# Altium PCB CTR_PAD.PcbDoc (continued)
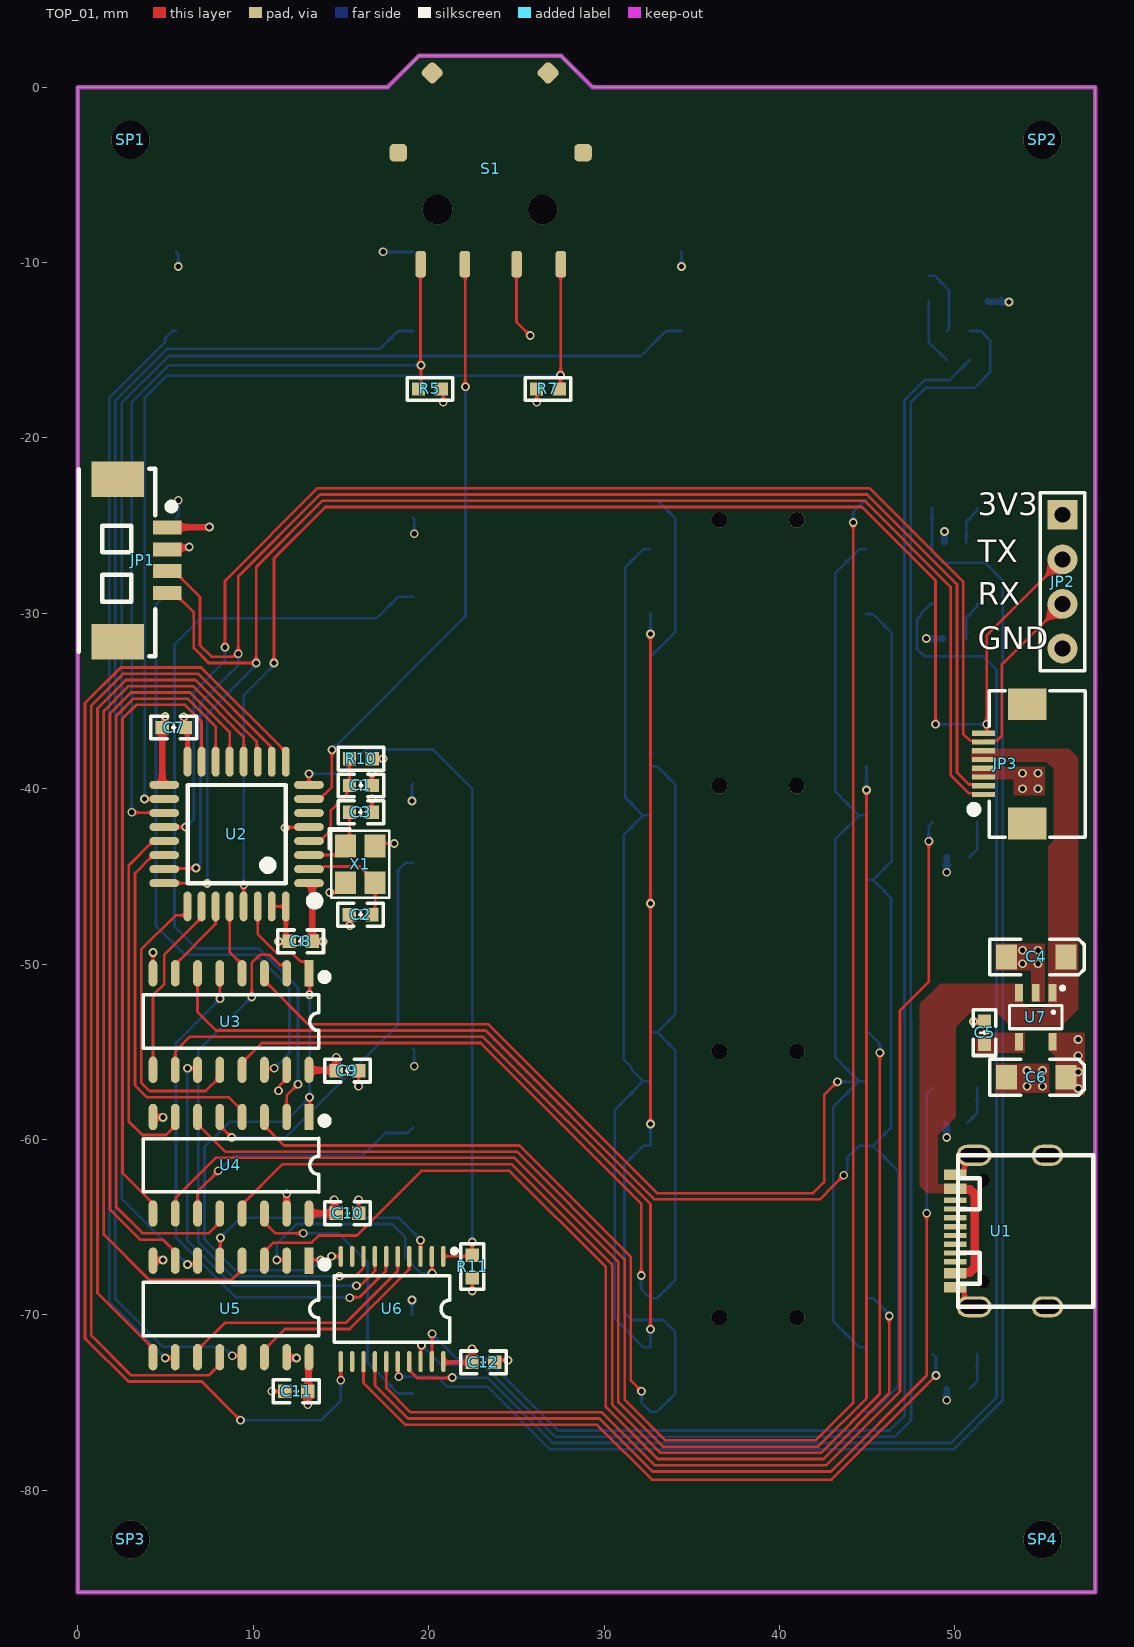
[diagram p0: TOP_01 view]
## Footprints (in the part's own frame and the unit in brackets; to place one, negate y for a bottom-side part, rotate by r counter-clockwise, add the part's x,y. Pads: shape width x height; smd on the part's side, far side on the other; paste and mask are expansions set on the pad) (continued)
  oval 1.2x1.8 hole 0.8 slot 1.4 at 90 deg: 15(-4.32,-2.624) 16(4.32,-2.624)
  round 0.75 hole 0.75 unplated: ""(-2.89,1.026) ""(2.89,1.026)
  silkscreen extent -4.32,-5.23 4.32,2.47, body extent -4.47,-5.27 4.47,2.63, height 3.26
WHEEL-SWITCH [mm]
  rrect50% 0.6x1.5 smd paste+0 mask+0.102: A(-3.968,-0.366) B(4.032,-0.366) C(1.507,-0.366) S(-1.443,-0.366)
  rrect50% 1x1 smd paste+0 mask+0.102: ""(-5.236,5.994) ""(5.3,5.994)
  rrect50% 1x1 smd rot 45 paste+0 mask+0.102: ""(-3.302,10.541)
  round 1.7 hole 1.7 unplated: ""(-3,2.75) ""(3,2.75)
  rrect50% 1x1 smd rot 135 paste+0 mask+0.102: ""(3.302,10.541)
  body extent -7.19,-0.25 7.19,14.5, height 4.3

## Part data
C1 C2 C3 C5 C7 C8 C9 C10 C11 C12: library part C, "无极性贴片电容", BOM名称=无极性贴片电容, 学习资源=www.ooocke.com, 版权归属=源创客
C4 C6: library part C-CD, "贴片钽电容", BOM名称=贴片钽电容, 学习资源=www.ooocke.com, 版权归属=源创客
JP1 JP2: library part "Header 4", "4P接插件", BOM名称=4P接插件, 学习资源=www.ooocke.com, 版权归属=源创客
JP3: library part FPC-8P, "FPC连接器", BOM名称=FPC连接器, 学习资源=www.ooocke.com, 版权归属=源创客
K1 K2 K3 K4 K5 K6 K7 K8: library part KEY-SMD-6x6, "贴片6x6轻触开关", BOM名称=贴片6x6轻触开关, 学习资源=www.ooocke.com, 版权归属=源创客
KEY1 KEY2 KEY3 KEY4: "五向按键"
LED1: library part LED-RGB-3528, "三基色LED", BOM名称=三基色LED, 学习资源=www.ooocke.com, 版权归属=源创客
LED2 LED3 LED4 LED5 LED6: library part LED-SMD, "贴片LED", BOM名称=贴片LED, 学习资源=www.ooocke.com, 版权归属=源创客
R1 R2 R3 R4 R5 R6 R7 R8 R9 R10 R11: library part R, "贴片电阻", BOM名称=贴片电阻, 学习资源=www.ooocke.com, 版权归属=源创客
S1: "拨盘编码器"
U1: library part USB-C-16P, "USB-C型母接口", BOM名称=USB-C型母接口, 学习资源=www.ooocke.com, 版权归属=源创客
U2: "微型控制器"
U3 U4 U5: "四路2选1模拟开关"
U6: "8位三态锁存器"
U7: "线性稳压器"
X1: library part XTAL-4P, "4脚无源晶振", BOM名称=4脚无源晶振, 学习资源=www.ooocke.com, 版权归属=源创客
SP1 SP2 SP3 SP4: BOM名称=铜柱, 学习资源=www.ooocke.com, 版权归属=源创客

## Via types
v1: diameter 0.5, hole 0.3, TOP_01 to BOT_04, tented both sides, 123 vias

## Nets (pads, with @x,y where several pads share a name; then routed paths per layer and width w, separated by ;. In a path a pad name is that pad's centre, name@x,y a point inside that pad or via, vN(x,y) a via of type N, cw(c..) or ccw(c..) an arc to the next point about the centre after c; other vN are vias at no path point)
3V3: C6.1 C7.2 C8.2 C9.2 C10.2 C11.2 C12.2 JP1.1 JP2.1 LED1.4 R5.1 R7.2 R10.1 R11.1 U2.1 U2.5 U2.17 U3.16 U4.16 U5.16 U6.20 U7.5 | length 26
  TOP_01 w0.152: v1(11.811,-42.227) 11.833,-42.205 13.147,-42.205 U2.5 ; C10.2@14.605,-64.086 C10.2 ; R5.1 20.828,-17.32 v1(20.828,-17.97) ; v1(22.479,-68.643) R11.1 ; R7.2 26.162,-17.223 v1(26.162,-17.97)
  TOP_01 w0.254: U6.20 20.832,-72.705 20.834,-72.707 C12.2
  TOP_01 w0.381: U2.17 4.843,-39.783 4.811,-39.751 C7.2 4.952,-36.371 4.952,-35.91 v1(4.974,-35.887) ; JP1.1 5.097,-25.09 7.485,-25.09 v1(7.493,-25.082) ; v1(13.096,-75.12) C11.2 13.146,-74.308 13.146,-72.434 U5.16 ; U4.16 13.179,-64.209 14.706,-64.209 C10.2 ; U3.16 13.19,-56.049 14.696,-56.049 C9.2 14.725,-56.062 14.725,-55.315 v1(14.732,-55.308) ; U2.1 13.318,-45.383 13.35,-45.414 C8.2 v1(13.97,-48.704) ; C10.2@14.605,-64.086 v1(14.605,-63.436) ; R10.1 v1(17.399,-38.29) ; C12.2 v1(22.464,-71.924)
  BOT_04 w0.381: LED1.4 51.901,-12.234 53.065,-12.234 v1(53.086,-12.255)
  other v1: 57.023,-57.086 57.023,-56.155 57.023,-55.223 57.023,-54.292
5V: C4.1 JP3.5 JP3.6 U1.2 U1.11 U7.1 U7.3 | length 6.7
  TOP_01 w0.508: U1.2 50.066,-67.573 50.861,-67.573 51.13,-67.304 51.13,-63.127 50.862,-62.859 50.066,-62.859 U1.11
DGND: C1.1 C2.1 C3.1 C4.2 C5.1 C6.2 C7.1 C8.1 C9.1 C10.1 C11.1 C12.1 JP1.2 JP2.4 JP3.3 JP3.4 K1.2 K2.2 K3.2 K4.2 K5.2 K6.2 K7.2 K8.2 R2.1 R4.1 R6.1 R8.1 R9.1 S1.C SP1.1 SP2.1 SP3.1 SP4.1 U1.1 U1.12 U1.13 U1.14 U1.15 U1.16 U2.16 U2.31 U2.32 U3.8 U3.15 U4.8 U4.15 U5.8 U5.15 U6.10 U7.2 X1.2 X1.4 | length 41.6
  TOP_01 w0.152: U3.8 v1(4.279,-49.332) ; JP1.2 5.213,-26.225 JP1.2@5.461,-26.225 ; v1(11.049,-74.358) C11.1@11.796,-74.358 ; U2.31 U2.32 ; v1(11.43,-57.213) 11.497,-57.146 11.497,-56.93 11.899,-56.528 U3.15 ; v1(14.351,-45.91) 14.718,-45.91 15.242,-45.386 X1.2 ; v1(14.462,-66.659) U6.10 ; v1(16.002,-63.436) 16.002,-64.183 C10.1 ; v1(16.002,-56.959) 16.002,-56.085 C9.1 ; v1(16.764,-40.576) 16.764,-41.323 C3.1 ; v1(16.764,-39.124) 16.764,-39.799 C1.1 ; X1.4 17.085,-43.116 v1(18.034,-43.116) ; C12.1 23.891,-72.58 v1(24.511,-72.58) ; S1.C@25.007,-10.596 25.007,-13.386 v1(25.781,-14.16)
  TOP_01 w0.254: C7.1@6.048,-36.575 6.249,-36.777 U2.16 ; U2.32 11.849,-48.503 C8.1@12.05,-48.704 ; U1.1 50.373,-68.416 50.546,-68.589 50.546,-69.099 50.983,-69.536 U1.13 ; U1.12 50.373,-62.016 50.546,-61.843 50.546,-61.333 50.983,-60.896 U1.14 ; v1(51.054,-53.276) 51.674,-53.276 C5.1
  TOP_01 w0.381: U5.8 4.3,-66.886 4.824,-66.886 v1(4.845,-66.865) ; U4.8 4.289,-58.726 4.835,-58.726 v1(4.845,-58.737) ; JP1.2@5.461,-26.225 5.484,-26.248 6.327,-26.248 v1(6.35,-26.225) ; v1(6.033,-35.901) 6.056,-35.924 6.056,-36.567 C7.1@6.048,-36.575 ; v1(11.43,-48.704) C8.1@12.05,-48.704 ; U5.15 11.92,-72.432 12.444,-72.432 v1(12.465,-72.453) ; U4.15 v1(11.899,-63.094) ; C2.1 15.479,-47.195 15.479,-47.8 v1(15.494,-47.815)
  BOT_04 w0.152: K5.2 5.715,-24.446 v1(5.715,-23.558) ; K1.2 5.715,-9.516 v1(5.715,-10.223) ; v1(17.399,-9.39) 17.404,-9.395 19.095,-9.395 K3.2 ; v1(19.05,-69.151) 19.05,-69.927 K8.2 ; v1(19.05,-40.703) 19.05,-39.771 K6.2 ; K7.2 19.177,-54.894 v1(19.177,-55.816) ; K4.2 19.177,-24.638 v1(19.177,-25.463) ; K2.2 34.417,-9.44 v1(34.417,-10.223) ; R2.1@49.309,-31.432 R2.1 ; R4.1 R4.1@49.403,-25.947 ; R8.1 R8.1@49.53,-59.173 ; R6.1@49.53,-43.906 R6.1
  BOT_04 w0.381: v1(48.366,-31.432) 48.386,-31.452 49.289,-31.452 R2.1@49.309,-31.432 ; R4.1@49.403,-25.947 v1(49.403,-25.336) ; v1(49.53,-74.866) 49.535,-74.861 49.535,-74.221 R9.1 ; v1(49.53,-59.88) R8.1@49.53,-59.173 ; v1(49.53,-44.767) 49.535,-44.762 49.535,-43.912 R6.1@49.53,-43.906
  other v1: 54.102,-56.959 54.991,-56.959 54.102,-56.07 54.991,-56.07 53.848,-49.974 54.737,-49.974 53.848,-49.212 54.737,-49.212 53.848,-40.005 54.737,-40.005 53.848,-39.116 54.737,-39.116
F0_RX: JP2.3 JP3.7 U2.20 | length 82.5
  TOP_01 w0.152: U2.20 v1(6.141,-42.182) ; v1(8.382,-31.94) 8.382,-28.145 13.66,-22.868 45.141,-22.868 50.47,-28.196 50.47,-36.867 50.865,-37.262 51.167,-37.262 JP3.7@51.308,-37.403 ; JP3.7 51.701,-37.262 52.396,-37.262 52.678,-36.981 52.678,-32.92 JP2.3
  BOT_04 w0.152: v1(6.141,-42.182) 6.604,-41.719 6.604,-34.48 8.382,-32.702 v1(8.382,-31.94)
F0_TX: JP2.2 JP3.8 U2.29 | length 84.1
  TOP_01 w0.152: U2.29 v1(9.449,-45.478) ; v1(11.176,-32.829) 11.176,-26.86 14.102,-23.934 44.699,-23.934 48.895,-28.13 v1(48.895,-36.322) ; JP3.8 51.742,-36.833 51.816,-36.759 51.816,-31.242 JP2.2
  BOT_04 w0.152: v1(9.449,-45.478) 9.449,-34.683 v1@11.176,-32.956 ; v1(48.895,-36.322) v1(51.816,-36.322)
NetC5_2: C5.2 U7.4
NetLED1_1: LED1.1 R1.2 | length 3.8
  BOT_04 w0.152: LED1.1 48.501,-14.518 R1.2
NetLED1_2: LED1.2 R3.2 | length 3.9
  BOT_04 w0.152: LED1.2 48.851,-10.763 49.657,-11.568 49.657,-13.79 R3.2
NetLED2_2: LED2.2 R2.2 | length 2.3
  BOT_04 w0.152: R2.2 50.65,-30.239 51.27,-29.619 LED2.2
NetLED3_2: LED3.2 R4.2 | length 2.3
  BOT_04 w0.152: R4.2 50.65,-24.766 51.27,-24.146 LED3.2
NetLED4_2: LED4.2 R6.2 | length 2.2
  BOT_04 w0.152: R6.2 51.27,-43.466 LED4.2
NetLED5_2: LED5.2 R8.2 | length 2.2
  BOT_04 w0.152: R8.2 51.27,-58.499 LED5.2
NetLED6_2: LED6.2 R9.2 | length 2.2
  BOT_04 w0.152: R9.2 51.27,-73.786 LED6.2
OSC_IN: C2.2 U2.2 X1.3 | length 6.1
  TOP_01 w0.152: U2.2 13.875,-44.583 14.027,-44.43 16.062,-44.43 16.942,-45.31 X1.3 16.942,-47.002 C2.2
OSC_OUT: C3.2 U2.3 X1.1 | length 4.3
  TOP_01 w0.152: U2.3 14.719,-43.783 X1.1 15.479,-43.022 C3.2
PA0: U2.6
PA1: S1.S U2.7 | length 34.1
  TOP_01 w0.152: U2.7 13.794,-40.583 14.478,-39.899 v1(14.478,-37.782) ; S1.S@22.057,-10.596 22.077,-10.616 22.077,-17.06 v1(22.098,-17.081)
  BOT_04 w0.152: v1(14.478,-37.782) 22.098,-30.162 v1(22.098,-17.081)
PA2: R11.2 U2.8 U6.1 | length 39.8
  TOP_01 w0.152: U2.8 v1(13.169,-39.14) ; U6.1@20.832,-66.693 U6.1@20.877,-66.738 ; U6.1 22.416,-66.659 R11.2 v1(22.479,-65.849)
  BOT_04 w0.152: v1(13.169,-39.14) 15.025,-39.14 16.404,-37.761 20.254,-37.761 22.479,-39.985 v1(22.479,-65.849)
PA3: U2.9 U6.11 | length 70.2
  TOP_01 w0.152: v1(9.271,-76.009) 7.058,-73.796 2.872,-73.796 0.496,-71.425 0.406,-71.335 0.406,-71.272 0.406,-35.12 2.44,-33.087 7.024,-33.087 11.849,-37.912 U2.9 ; U6.11 14.984,-72.661 14.984,-73.721 v1(14.986,-73.723)
  BOT_04 w0.152: v1(9.271,-76.009) 13.843,-76.009 14.986,-74.866 v1(14.986,-73.723)
PA4: U2.10 U5.12 | length 58.4
  TOP_01 w0.152: U5.12 8.089,-72.817 7.856,-73.05 7.465,-73.44 3.019,-73.44 0.762,-71.183 0.762,-36.009 0.762,-35.268 2.587,-33.443 6.842,-33.443 10.992,-37.593 10.992,-38.399 U2.10
PA4_1: U5.14 U6.4 | length 11.3
  TOP_01 w0.152: U5.14 10.629,-71.984 11.811,-70.802 15.494,-70.802 18.882,-67.414 U6.4
PA4_1_L: LED2.1 U6.17 | length 86.3
  TOP_01 w0.152: U6.17 18.914,-72.691 18.914,-73.166 19.344,-73.596 21.315,-73.596 v1(21.336,-73.575)
  BOT_04 w0.152: v1(21.336,-73.575) 23.341,-73.575 27.071,-77.304 49.764,-77.304 52.37,-74.698 52.37,-33.21 51.608,-32.448 48.26,-32.448 47.836,-32.024 47.836,-30.367 48.044,-30.159 48.044,-30.032 48.603,-29.473 LED2.1
PA4_2: K3.1 U5.13 | length 78.4
  TOP_01 w0.152: v1(8.792,-72.326) 9.274,-72.326 U5.13
  BOT_04 w0.152: v1(8.792,-72.326) 8.284,-71.818 4.85,-71.818 2.134,-69.102 2.134,-17.87 5.081,-14.922 17.229,-14.922 18.25,-13.901 K3.1
PA5: U2.11 U5.9 | length 50.7
  TOP_01 w0.152: U5.9 4.279,-71.911 1.118,-68.75 1.118,-36.162 1.118,-35.415 2.734,-33.798 6.694,-33.798 10.192,-37.296 10.192,-38.399 U2.11
PA5_1: U5.11 U6.5 | length 14.5
  TOP_01 w0.152: U5.11 6.819,-72.005 8.377,-70.446 15.291,-70.446 18.232,-67.506 U6.5
PA5_1_L: LED3.1 U6.16 | length 92.1
  TOP_01 w0.152: U6.16 18.251,-72.678 18.251,-73.486 v1(18.288,-73.524)
  BOT_04 w0.152: v1(18.288,-73.524) 20.502,-73.524 21.082,-74.104 23.368,-74.104 26.924,-77.66 49.911,-77.66 52.725,-74.846 52.725,-28.13 51.709,-27.114 49.307,-27.114 48.69,-26.497 48.69,-24.04 LED3.1
PA5_2: K1.1 U5.10 | length 62.2
  TOP_01 w0.152: v1(4.982,-72.453) 5.507,-72.453 U5.10
  BOT_04 w0.152: v1(4.982,-72.453) 1.778,-69.249 1.778,-17.723 4.961,-14.54 4.961,-14.324 5.384,-13.901 K1.1
PA6: U2.12 U5.4 | length 50.7
  TOP_01 w0.152: U5.4 9.359,-67.412 8.763,-68.008 4.064,-68.008 1.473,-65.417 1.473,-36.314 1.473,-35.562 2.882,-34.154 6.547,-34.154 9.449,-37.055 U2.12
PA6_1: U5.2 U6.2 | length 13.6
  TOP_01 w0.152: v1(11.332,-66.865) 11.857,-66.865 U5.2 ; U6.2 20.187,-66.665 20.187,-67.621 v1(20.193,-67.627)
  BOT_04 w0.152: v1(11.332,-66.865) 11.332,-65.947 12.46,-64.819 17.893,-64.819 18.669,-65.595 18.669,-66.738 19.558,-67.627 v1(20.193,-67.627)
PA6_1_L: R1.1 U6.19 | length 93.7
  TOP_01 w0.152: U6.19 20.187,-72.653 20.187,-71.083 v1(20.193,-71.077)
  BOT_04 w0.152: v1(20.193,-71.077) 21.569,-72.453 23.226,-72.453 27.366,-76.593 46.279,-76.593 47.14,-75.732 47.14,-53.333 47.125,-53.317 47.125,-17.835 48.26,-16.7 49.698,-16.7 R1.1
PA6_2: KEY1.1 U5.3 | length 57.3
  TOP_01 w0.152: U5.3 10.629,-66.407 11.158,-65.878 13.326,-65.878 13.736,-65.468 15.904,-65.468 19.587,-61.785 24.608,-61.785 30.099,-67.276 30.099,-75.262 33.055,-78.219 42.499,-78.219 46.255,-74.463 46.255,-70.073 v1(46.249,-70.067)
  BOT_04 w0.152: KEY1.1 45.328,-69.041 46.183,-69.896 46.183,-70.001 v1(46.249,-70.067)
PA7: U2.13 U5.7 | length 43.5
  TOP_01 w0.152: U5.7 5.549,-66.407 4.864,-65.722 3.556,-65.722 1.829,-63.995 1.829,-36.461 1.829,-35.709 3.029,-34.509 6.4,-34.509 8.649,-36.758 U2.13
PA7_1: U5.5 U6.3 | length 14.7
  TOP_01 w0.152: U5.5 8.108,-66.887 8.108,-65.615 v1(8.128,-65.595) ; U6.3 v1(19.532,-65.748)
  BOT_04 w0.152: v1(8.128,-65.595) 9.26,-64.463 18.299,-64.463 19.532,-65.696 v1(19.532,-65.748)
PA7_1_L: R3.1 U6.18 | length 97.9
  TOP_01 w0.152: U6.18 19.551,-72.64 19.551,-71.765 v1(19.591,-71.724)
  BOT_04 w0.152: v1(19.591,-71.724) 20.701,-72.834 23.104,-72.834 27.219,-76.949 46.558,-76.949 47.496,-76.011 47.496,-53.185 47.481,-53.17 47.481,-17.982 48.321,-17.142 51.12,-17.142 52.007,-16.255 52.007,-14.44 51.473,-13.906 R3.1@50.841,-13.906
PA7_2: K2.1 U5.6 | length 84.9
  TOP_01 w0.152: v1(6.252,-67.119) 6.658,-67.119 6.819,-66.958 U5.6
  BOT_04 w0.152: v1(6.252,-67.119) 2.489,-63.356 2.489,-18.017 5.178,-15.328 32.1,-15.328 33.528,-13.901 K2.1
PA8: R7.1 S1.B U2.18 | length 54.9
  TOP_01 w0.152: v1(3.789,-40.582) U2.18 ; R7.1 27.509,-17.146 v1(27.509,-16.432) 27.52,-16.42 27.52,-10.607 S1.B@27.532,-10.596
  BOT_04 w0.152: v1(3.789,-40.582) 3.816,-40.555 3.816,-17.696 5.066,-16.446 27.494,-16.446 v1(27.509,-16.432)
PA9: R5.2 S1.A U2.19 | length 49.3
  TOP_01 w0.152: v1(3.069,-41.338) 3.092,-41.36 4.894,-41.36 U2.19 ; R5.2 19.558,-17.066 v1@19.558,-15.832 ; S1.A@19.532,-10.596 19.532,-15.832 v1(19.558,-15.858)
  BOT_04 w0.152: v1(3.069,-41.338) 3.069,-17.94 5.151,-15.858 v1(19.558,-15.858)
PA11: U2.21 U4.7 | length 20.9
  TOP_01 w0.152: U2.21 4.292,-42.983 2.896,-44.379 2.896,-58.966 3.675,-59.745 5.019,-59.745 5.549,-59.216 U4.7
PA11_1: K6.1 U4.5 | length 23.4
  TOP_01 w0.152: U4.5 8.089,-59.211 8.758,-59.88 v1(8.763,-59.88)
  BOT_04 w0.152: v1(8.763,-59.88) 11.832,-59.88 18.245,-53.467 18.245,-44.644 18.669,-44.221 K6.1
PA11_2: KEY4.1 U4.6 | length 102.6
  TOP_01 w0.152: U4.6 6.819,-59.121 7.052,-59.354 8.39,-60.693 25.025,-60.693 31.166,-66.834 31.166,-74.82 33.497,-77.152 42.057,-77.152 44.196,-75.013 v1(44.196,-24.828)
  BOT_04 w0.152: v1(44.196,-24.828) 44.196,-24.235 44.87,-23.561 KEY4.1
PA12: U2.22 U4.4 | length 21.3
  TOP_01 w0.152: U2.22 4.292,-43.783 3.251,-44.823 3.251,-56.908 3.937,-57.594 8.61,-57.594 9.109,-58.093 9.142,-58.093 9.359,-58.31 U4.4
PA12_1: K4.1 U4.2 | length 46.9
  TOP_01 w0.152: U4.2 11.899,-57.491 v1(12.542,-56.848)
  BOT_04 w0.152: v1(12.542,-56.848) 12.542,-51.848 12.542,-51.345 10.307,-49.11 6.756,-49.11 5.504,-47.858 5.504,-31.77 6.985,-30.289 17.022,-30.289 18.25,-29.061 K4.1
PA12_2: KEY1.6 KEY2.6 KEY3.6 KEY4.6 U4.3 | length 84.6
  TOP_01 w0.152: U4.3 10.629,-59.216 11.75,-60.337 25.172,-60.337 31.521,-66.687 31.521,-73.748 v1(32.131,-74.358) ; v1(32.639,-59.118) v1(32.639,-46.545) v1(32.639,-31.178)
  BOT_04 w0.152: v1(32.131,-74.358) 32.131,-75.022 KEY1.6 33.028,-75.519 34.057,-74.489 34.057,-70.97 33.894,-70.806 33.871,-70.806 33.782,-70.717 33.782,-70.694 33.382,-70.294 31.585,-70.294 31.157,-69.865 31.157,-61.43 32.228,-60.359 KEY2.6 32.639,-60.347 v1(32.639,-59.118) ; KEY3.6 32.639,-45.21 v1(32.639,-46.545) ; KEY4.6 32.639,-30.05 v1(32.639,-31.178)
PA15: U2.25 U3.12 | length 16.9
  TOP_01 w0.152: U2.25 6.249,-47.078 6.111,-47.216 5.552,-47.216 3.607,-49.161 3.607,-56.761 4.084,-57.238 7.284,-57.238 8.089,-56.434 U3.12
PA15_1: K5.1 U3.14 | length 34.3
  TOP_01 w0.152: U3.14 10.714,-55.943 v1(11.195,-55.943)
  BOT_04 w0.152: K5.1 4.869,-29.061 4.445,-29.484 4.445,-47.815 6.096,-49.466 10.16,-49.466 12.065,-51.371 12.065,-55.073 v1(11.195,-55.943)
PA15_2: KEY1.4 KEY2.4 KEY3.4 KEY4.4 U3.13 | length 82.8
  TOP_01 w0.152: U3.13 9.359,-55.622 10.481,-54.499 22.956,-54.499 32.11,-63.653 v1(32.11,-67.754)
  BOT_04 w0.152: v1(32.11,-67.754) 32.11,-68.523 KEY1.4 33.028,-69.041 34.057,-68.012 34.057,-54.918 33.702,-54.562 33.702,-54.555 KEY2.4@33.028,-53.881 ; KEY2.4 33.05,-53.881 33.05,-53.86 34.057,-52.852 34.057,-39.758 33.702,-39.402 33.702,-39.395 33.028,-38.721 KEY3.4 32.628,-32.483 34.057,-31.054 34.057,-24.591 33.028,-23.561 KEY4.4
PB0: U2.14 U4.12 | length 44
  TOP_01 w0.152: U2.14 7.849,-36.461 6.253,-34.865 3.176,-34.865 2.184,-35.857 2.184,-36.614 2.184,-63.848 3.678,-65.341 7.467,-65.341 8.089,-64.72 U4.12
PB0_1: K8.1 U4.14 | length 16.4
  TOP_01 w0.152: U4.14 10.629,-64.72 11.262,-65.353 12.835,-65.353 v1(12.84,-65.348)
  BOT_04 w0.152: v1(12.84,-65.348) 14.842,-65.348 16.51,-67.016 16.51,-72.707 17.826,-74.023 17.826,-74.053 18.25,-74.477 K8.1
PB0_2: KEY2.1 U4.13 | length 71.7
  TOP_01 w0.152: U4.13 9.359,-63.719 11.674,-61.404 24.73,-61.404 30.455,-67.128 30.455,-74.988 30.455,-75.115 33.203,-77.863 33.33,-77.863 42.352,-77.863 45.72,-74.495 v1(45.72,-55.054)
  BOT_04 w0.152: KEY2.1 45.046,-53.881 45.72,-54.555 v1(45.72,-55.054)
PB1: U2.15 U4.9 | length 36.5
  TOP_01 w0.152: U4.9 4.279,-63.651 2.54,-61.912 2.54,-36.004 3.323,-35.221 6.105,-35.221 7.049,-36.164 U2.15
PB1_1: K7.1 U4.11 | length 15
  TOP_01 w0.152: U4.11 6.819,-62.967 v1(8.001,-61.785)
  BOT_04 w0.152: v1(8.001,-61.785) 8.89,-60.896 16.256,-60.896 17.521,-59.631 18.786,-59.631 K7.1
PB1_2: KEY3.1 U4.10 | length 89.9
  TOP_01 w0.152: U4.10 5.588,-64.18 5.588,-63.309 7.849,-61.048 24.877,-61.048 30.81,-66.981 30.81,-74.841 30.81,-74.968 33.35,-77.508 33.477,-77.508 42.205,-77.508 44.958,-74.754 v1(44.958,-40.068)
  BOT_04 w0.152: KEY3.1 44.958,-38.751 v1(44.958,-40.068)
PB3: U2.26 U3.9 | length 10.5
  TOP_01 w0.152: U3.9 4.279,-51.773 4.926,-51.125 4.926,-49.457 7.049,-47.334 U2.26
PB3_1: U3.11 U6.7 | length 23.4
  TOP_01 w0.152: v1(6.252,-55.943) 6.734,-55.943 U3.11 ; v1(15.875,-68.33) 15.942,-68.264 16.157,-68.264 16.932,-67.489 U6.7
  BOT_04 w0.152: v1(6.252,-55.943) 6.223,-55.972 6.223,-65.717 8.837,-68.33 v1(15.875,-68.33)
PB3_2: KEY1.5 KEY2.5 KEY3.5 KEY4.5 U3.10 | length 90.9
  TOP_01 w0.152: U3.10 5.549,-54.966 6.371,-54.144 23.103,-54.144 32.639,-63.68 v1(32.639,-70.823)
  BOT_04 w0.152: KEY2.5 KEY2.5@32.356,-56.676 ; KEY3.5 32.412,-41.515 KEY3.5@32.228,-41.515 ; KEY4.5 32.228,-26.355 31.554,-27.029 31.199,-27.385 31.199,-40.486 KEY3.5@32.228,-41.515 ; v1(32.639,-70.823) 32.639,-71.824 KEY1.5 32.228,-71.836 30.607,-70.215 30.607,-58.303 31.554,-57.356 31.554,-57.349 KEY2.5@32.228,-56.676 ; KEY2.5@32.228,-56.676 KEY2.5@32.356,-56.676 ; KEY2.5@32.228,-56.676 31.554,-56.002 31.554,-55.874 31.115,-55.435 31.115,-42.635 31.554,-42.196 31.554,-42.189 KEY3.5@32.228,-41.515 ; KEY2.5@32.228,-56.676 KEY2.5@32.356,-56.676
PB3_2_L: LED5.1 U6.14 | length 53.7
  TOP_01 w0.152: U6.14 16.932,-74.023 18.816,-75.907 29.738,-75.907 32.761,-78.93 42.926,-78.93 48.387,-73.469 v1(48.387,-64.198)
  BOT_04 w0.152: v1(48.387,-64.198) 48.387,-57.399 LED5.1
PB4: U2.27 U3.7 | length 4.8
  TOP_01 w0.152: U3.7 5.549,-50.013 7.849,-47.713 U2.27
PB4_1: U3.5 U6.6 | length 31
  TOP_01 w0.152: U3.5 8.093,-50.529 8.093,-51.971 v1(8.098,-51.976) ; v1(15.494,-69.024) 15.526,-68.992 16.049,-68.992 16.807,-68.234 17.55,-67.49 17.55,-67.235 17.563,-67.222 17.563,-66.678 U6.6
  BOT_04 w0.152: v1(8.098,-51.976) 7.008,-53.067 5.588,-54.487 5.588,-65.585 8.998,-68.995 15.465,-68.995 v1(15.494,-69.024)
PB4_1_L: LED4.1 U6.15 | length 67.6
  TOP_01 w0.152: U6.15 17.582,-74.17 18.964,-75.552 29.886,-75.552 32.908,-78.574 42.647,-78.574 46.863,-74.358 46.863,-52.641 48.514,-50.99 v1(48.514,-42.989)
  BOT_04 w0.152: v1(48.514,-42.989) 48.514,-42.112 LED4.1
PB4_2: KEY1.3 KEY2.3 KEY3.3 KEY4.3 U3.6 | length 96.5
  TOP_01 w0.152: U3.6 6.819,-52.729 7.878,-53.788 23.25,-53.788 32.873,-63.411 42.295,-63.411 43.085,-62.62 v1(43.667,-62.039)
  BOT_04 w0.152: v1(43.667,-62.039) 43.667,-61.945 43.854,-61.757 43.854,-61.032 44.528,-60.359 KEY2.3 KEY2.3@45.328,-60.359 ; KEY1.3 45.328,-75.519 46.002,-74.845 46.002,-74.838 46.785,-74.055 46.785,-61.822 46.002,-61.039 46.002,-61.032 KEY2.3@45.328,-60.359 ; KEY3.3 45.144,-45.199 KEY3.3@45.328,-45.199 ; KEY4.3 45.328,-30.039 46.002,-30.712 46.002,-30.719 46.406,-31.124 46.406,-44.113 46.002,-44.518 46.002,-44.525 KEY3.3@45.328,-45.199 ; KEY2.3@45.328,-60.359 46.002,-59.685 46.002,-59.678 46.357,-59.322 46.357,-46.235 46.002,-45.879 46.002,-45.872 KEY3.3@45.328,-45.199
PB5: U2.28 U3.4 | length 4.1
  TOP_01 w0.152: U2.28 8.649,-49.314 9.359,-50.024 U3.4
PB5_1: U3.2 U6.8 | length 31.1
  TOP_01 w0.152: v1(9.906,-51.879) 9.906,-49.936 10.376,-49.466 10.922,-49.466 11.509,-50.053 11.738,-50.053 11.899,-50.214 U3.2 ; v1(14.906,-67.801) 15.788,-67.801 15.962,-67.627 15.966,-67.627 16.273,-67.32 16.273,-66.668 U6.8
  BOT_04 w0.152: v1(9.906,-51.879) 6.858,-54.927 6.858,-65.849 8.81,-67.801 v1(14.906,-67.801)
PB5_2: KEY1.2 KEY2.2 KEY3.2 KEY4.2 U3.3 | length 95.4
  TOP_01 w0.152: U3.3 10.629,-50.93 13.131,-53.432 23.397,-53.432 33.02,-63.055 41.91,-63.055 42.545,-62.42 42.545,-57.467 v1(43.307,-56.705)
  BOT_04 w0.152: v1(43.307,-56.705) KEY2.2@44.528,-56.705 ; KEY1.2 44.528,-71.836 43.053,-70.36 43.053,-58.151 43.854,-57.349 KEY2.2@44.528,-56.676 ; KEY2.2 KEY2.2@44.528,-56.676 ; KEY3.2 KEY3.2@44.528,-41.515 ; KEY4.2 44.528,-26.355 43.18,-27.704 43.18,-40.167 43.854,-40.842 KEY3.2@44.528,-41.515 ; KEY2.2@44.528,-56.676 43.854,-56.002 43.18,-55.327 43.18,-42.864 KEY3.2@44.528,-41.515
PB5_2_L: LED6.1 U6.13 | length 39.9
  TOP_01 w0.152: U6.13 16.282,-73.876 18.669,-76.263 29.591,-76.263 32.722,-79.394 42.975,-79.394 v1(48.916,-73.452)
  BOT_04 w0.152: LED6.1 48.916,-72.403 v1(48.916,-73.452)
PB7: U2.30 U3.1 U4.1 U5.1 | length 34.4
  TOP_01 w0.152: U2.30 10.249,-48.285 11.328,-49.364 12.204,-49.364 12.69,-49.85 12.995,-49.85 13.169,-50.024 U3.1 ; U5.1 13.211,-66.865 v1(13.843,-66.865) ; U4.1 13.208,-58.676 v1(13.208,-57.594) ; U3.1@13.169,-50.783 13.208,-50.822 v1(13.208,-51.752)
  BOT_04 w0.152: v1(13.208,-51.752) v1(13.208,-57.594) 11.811,-58.991 8.636,-58.991 7.214,-60.413 7.214,-65.702 8.957,-67.445 13.263,-67.445 v1(13.843,-66.865)
RST: C1.2 R10.2 U2.4 | length 6
  TOP_01 w0.152: U2.4 13.794,-42.983 14.417,-42.36 14.417,-41.243 14.982,-40.678 15.326,-40.334 15.326,-39.967 C1.2 R10.2
SWCLK: JP1.4 JP3.1 U2.24 | length 85.7
  TOP_01 w0.152: U2.24 4.926,-45.392 7.356,-45.392 v1(7.366,-45.402) ; JP1.4 5.489,-28.848 6.604,-29.963 6.604,-31.976 7.457,-32.829 v1(10.16,-32.829) 10.16,-27.373 13.954,-23.579 44.847,-23.579 49.759,-28.491 49.759,-39.212 50.808,-40.262 51.56,-40.262 JP3.1
  BOT_04 w0.152: v1(7.366,-45.402) 7.366,-35.75 v1@10.16,-32.956
SWDIO: JP1.3 JP3.2 U2.23 | length 84.9
  TOP_01 w0.152: U2.23 4.951,-44.548 6.696,-44.548 v1(6.731,-44.513) ; JP1.3 5.489,-27.598 6.096,-28.205 6.96,-29.068 6.96,-31.828 7.605,-32.473 9.144,-32.473 9.144,-27.886 13.807,-23.223 44.994,-23.223 50.114,-28.343 50.114,-39.065 50.811,-39.762 51.56,-39.762 JP3.2
  BOT_04 w0.152: v1(6.731,-44.513) 6.731,-44.504 6.985,-44.25 6.985,-35.115 9.144,-32.956 v1(9.144,-32.3)
pads on no net: JP1.0 JP3.0 K1.3 K1.4 K2.3 K2.4 K3.3 K3.4 K4.3 K4.4 K5.3 K5.4 K6.3 K6.4 K7.3 K7.4 K8.3 K8.4 KEY1. KEY2. KEY3. KEY4. LED1.3 S1. U1. U1.3 U1.4 U1.5 U1.6 U1.7 U1.8 U1.9 U1.10 U6.9 U6.12

## Polygon pours and split planes (outlines as drawn)
5V on TOP_01 "5V_L01_P000" (solid, pour order 0): 55.626,-38.862 55.245,-38.481 50.927,-38.481 50.927,-37.719 56.515,-37.719 57.023,-38.227 57.023,-42.735 57.023,-52.578 56.071,-53.53 53.149,-53.53 52.133,-52.514 51.118,-52.514 50.038,-53.594 50.038,-58.731 49.022,-59.747 49.022,-62.547 50.673,-62.547 50.673,-63.055 48.387,-63.055 48.006,-62.674 48.006,-52.26 49.149,-51.117 53.848,-51.117 53.848,-52.133 54.229,-52.514 54.991,-52.514 55.308,-52.197 55.308,-43.244 55.626,-42.926
DGND on TOP_01 "DGND_L01_P002" (solid, pour order 2): 52.324,-48.831 55.118,-48.831 55.118,-52.133 54.356,-52.133 54.356,-50.355 52.324,-50.355
3V3 on TOP_01 "3V3_L01_P003" (solid, pour order 3): 55.372,-53.911 57.404,-53.911 57.404,-57.467 55.753,-57.467 55.753,-55.308 55.372,-54.927
DGND on TOP_01 "DGND_L01_P004" (solid, pour order 4): 52.324,-55.689 55.372,-55.689 55.372,-57.34 52.324,-57.34
NetC5_2 on TOP_01 "NETC5_2_L01_P008" (solid, pour order 8): 51.181,-53.911 53.975,-53.911 53.975,-55.054 51.181,-55.054
DGND on TOP_01 "DGND_L01_P001" (solid, pour order 1): 53.34,-39.453 53.34,-40.386 55.118,-40.386 55.118,-38.735 50.95,-38.735 50.95,-39.453
3V3 on PWR_02 (split plane): 28.976,-0.361 29.053,-0.424 29.142,-0.472 29.237,-0.501 29.337,-0.51 57.49,-0.51 57.49,-85.29 0.51,-85.29 0.51,-0.51 17.653,-0.51 17.753,-0.501 17.848,-0.472 17.937,-0.424 18.014,-0.361 19.642,1.268 27.348,1.268
DGND on GND_03 (split plane): 28.976,-0.361 29.053,-0.424 29.142,-0.472 29.237,-0.501 29.337,-0.51 57.49,-0.51 57.49,-85.29 0.51,-85.29 0.51,-0.51 17.653,-0.51 17.753,-0.501 17.848,-0.472 17.937,-0.424 18.014,-0.361 19.642,1.268 27.348,1.268

## Keep-outs
Keep-Out Layer:
  the board outline again, w0.254

## Silkscreen, mask and mechanical layers (free items; w line width, h text height)
Top Overlay:
  text "3V3" at 51.308,-24.849 h2.2
  text "TX" at 51.308,-27.516 h2.2
  text "RX" at 51.308,-29.929 h2.2
  text "GND" at 51.308,-32.469 h2.2
Bottom Overlay:
  text "AUTO" at 25.238,-17.45 h2.2
  text "MENU" at 40.556,-17.451 h2.2
  text "RUN|STOP" at 13.23,-17.8 h2.2
  text "CH-A" at 25.111,-32.609 h2.2
  text "CH-B" at 12.289,-32.779 h2.2
  text "MATH" at 25.35,-47.771 h2.2
  text "TRIGGER" at 26.275,-62.929 h2.2
  text "CONTROL" at 26.44,-78.089 h2.2
Mechanical 1:
  the board outline again, w0.254

## Dimensions
0,-85.8 to 58,-85.8 on Mechanical 15
0,0 to 0,-85.8 on Mechanical 15